# Altium PCB roach2.PcbDoc (part 24 of 39)
Units mil, origin at the board's own origin, x right, y up, seen from the top; angles counter-clockwise.
Board outline 12007.87 x 9606.3 mil, 16 copper layers (L1_TOP, L2_G, L3_S, L4_G, L5_S, L6_P, L7_G, L8_R, L9_R, L10_P, L11_P, L12_S, L13_P, L14_S, L15_G, L16_BOT), stack 81.651 mil thick; 1568 components, 1918 nets, 9251 pads, 6741 vias.
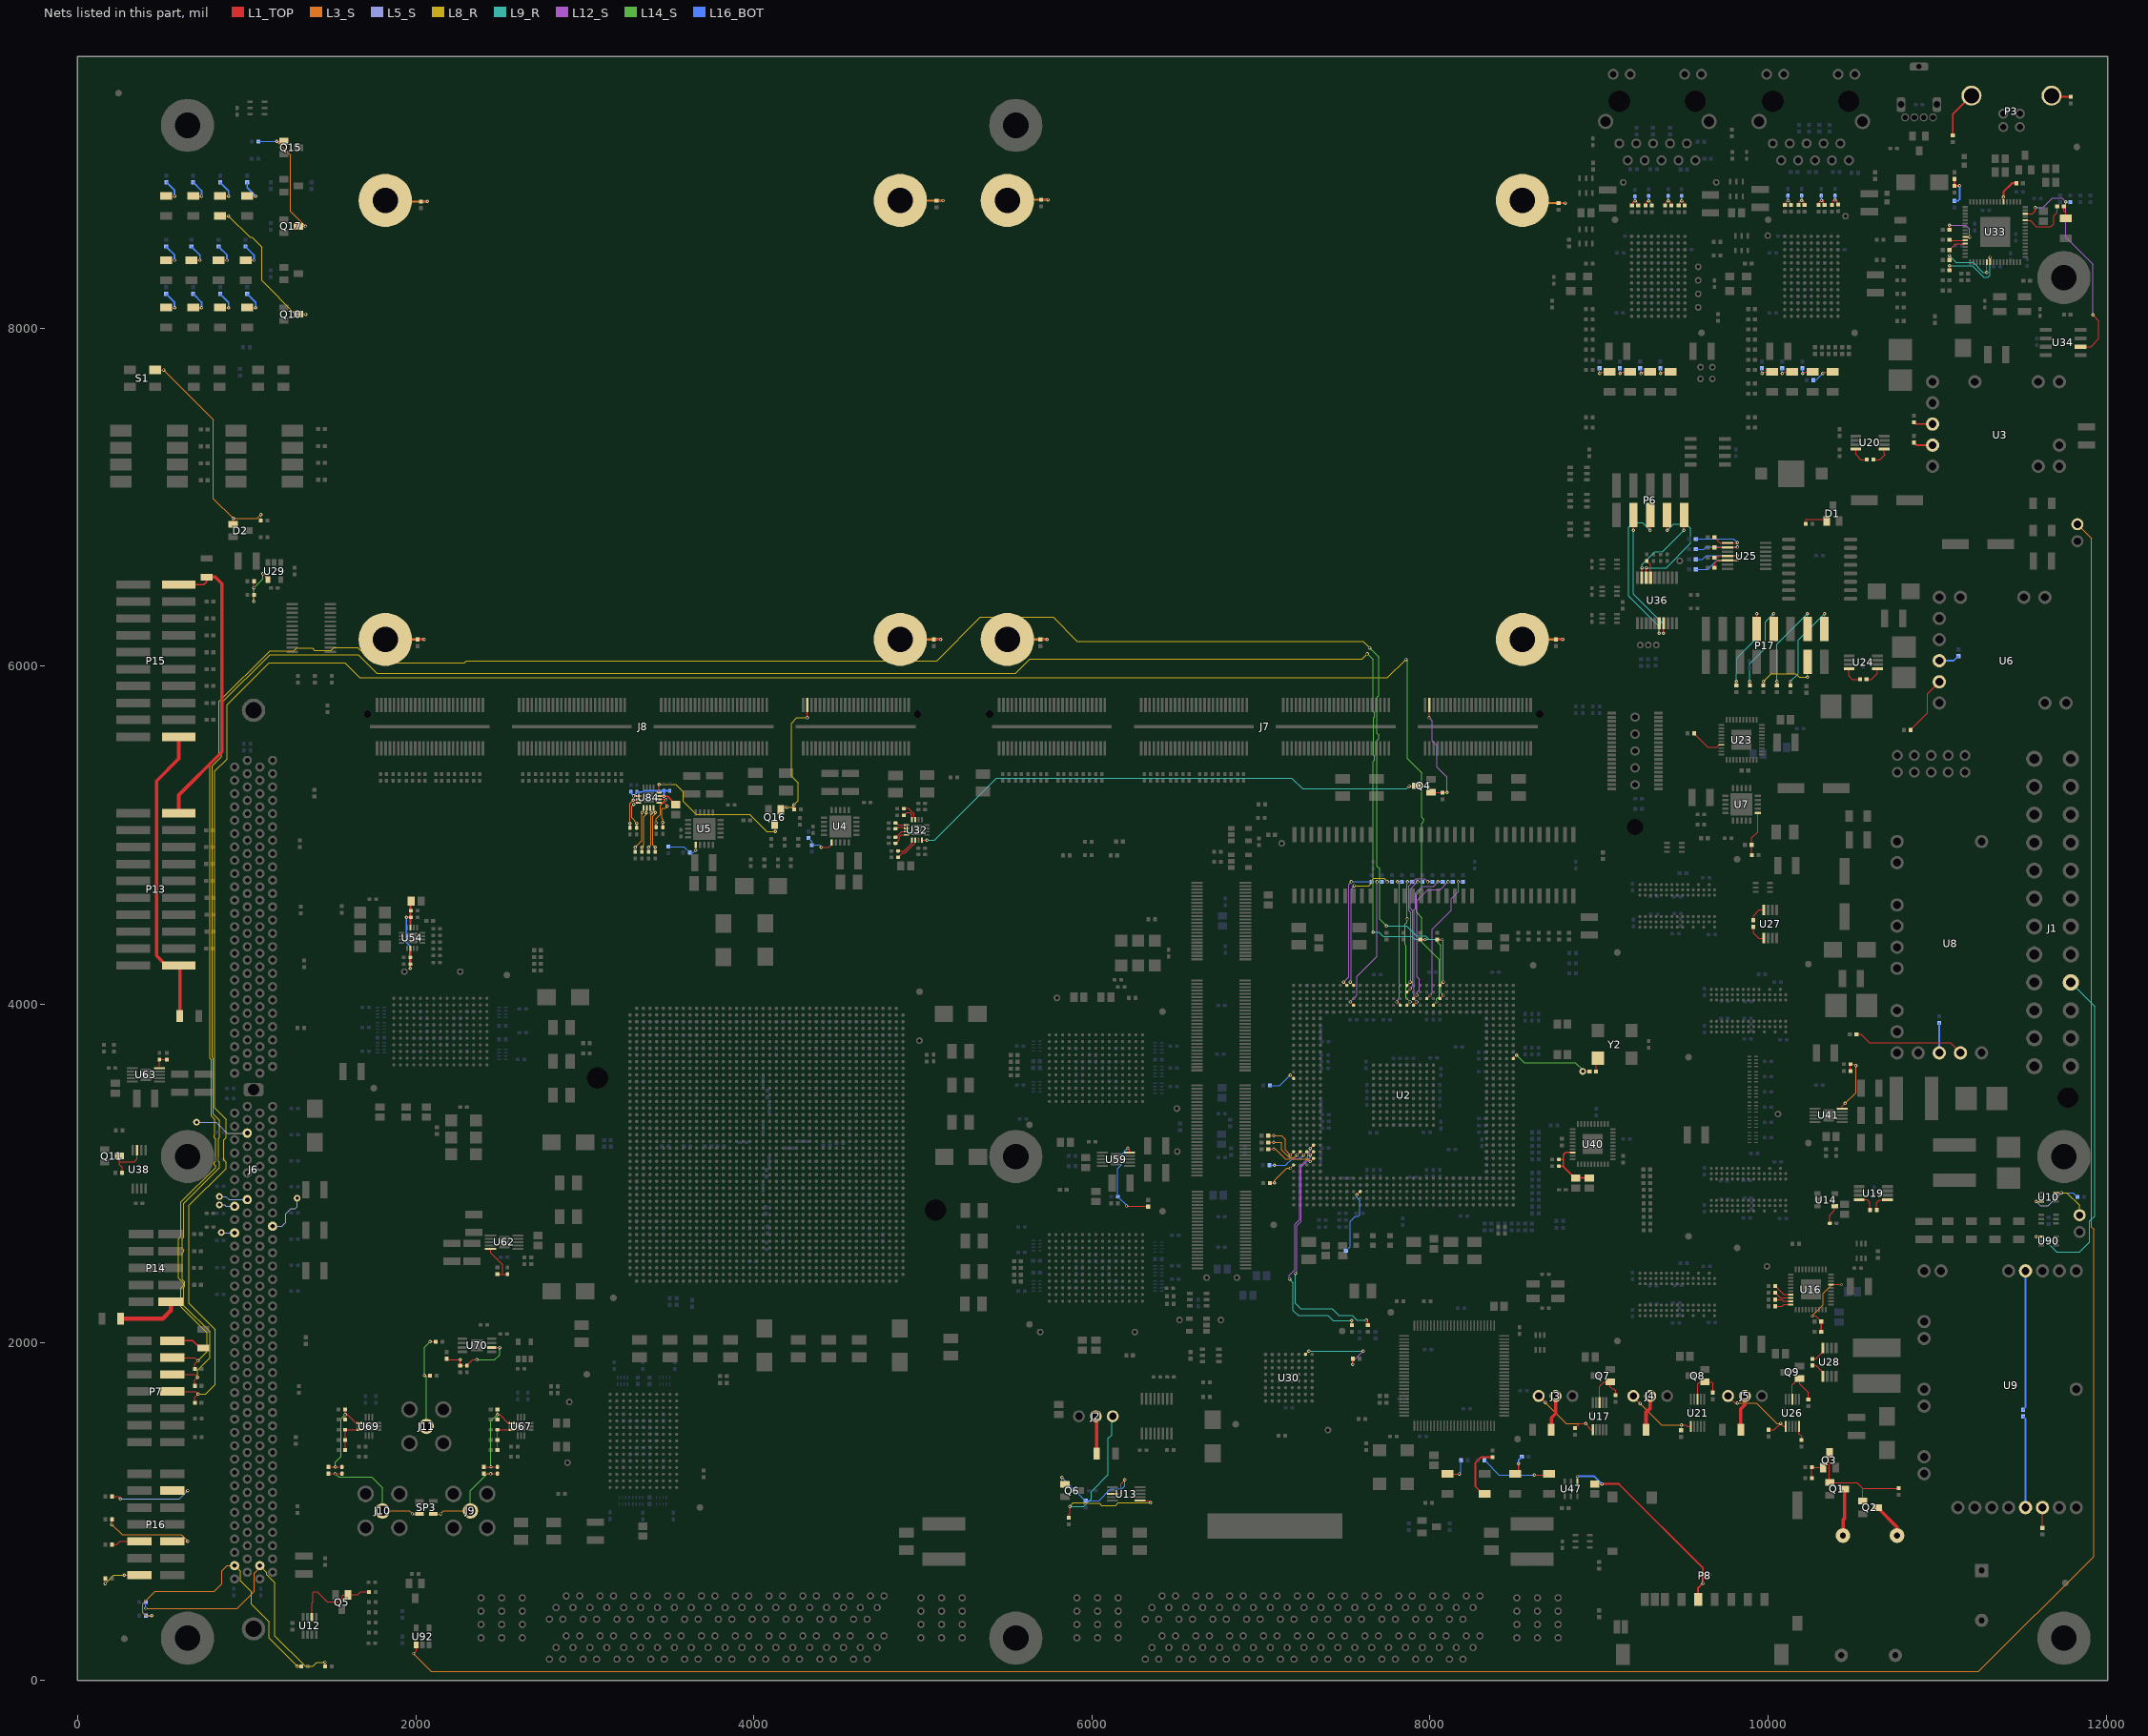
[diagram p38: the nets of this part, all layers, seen from the top]

## Via types
v1: diameter 19.4, hole 10, L1_TOP to L16_BOT, tented both sides, 3354 vias
v2: diameter 19.4, hole 10, L1_TOP to L16_BOT, 1954 vias
v3: diameter 19.4, hole 10, L1_TOP to L16_BOT, tented top, 429 vias
v4: diameter 18.6, hole 10, L1_TOP to L16_BOT, tented both sides, 311 vias
v5: diameter 59.06, hole 39.37, L1_TOP to L16_BOT, 217 vias
v6: diameter 19.4, hole 10.04, L1_TOP to L16_BOT, 125 vias
v7: diameter 19, hole 10, L1_TOP to L16_BOT, 93 vias
v8: diameter 19.4, hole 10, L1_TOP to L16_BOT, tented bottom, 80 vias
v9: diameter 25.98, hole 12.99, L1_TOP to L16_BOT, tented top, 55 vias
v10: diameter 20, hole 10, L1_TOP to L16_BOT, 53 vias
v11: diameter 59.06, hole 39.37, L1_TOP to L16_BOT, tented top, 44 vias
v12: diameter 20, hole 10, L1_TOP to L16_BOT, tented top, 16 vias
v13: diameter 19, hole 10, L1_TOP to L16_BOT, tented top, 5 vias
v14: diameter 25.98, hole 12.99, L1_TOP to L16_BOT, 4 vias
v15: diameter 50, hole 28, L1_TOP to L16_BOT, 1 vias

## Nets (pads, with @x,y where several pads share a name; then routed paths per layer and width w, separated by ;. In a path a pad name is that pad's centre, name@x,y a point inside that pad or via, vN(x,y) a via of type N, cw(c..) or ccw(c..) an arc to the next point about the centre after c; other vN are vias at no path point) (continued)
NetC195_2: C195.2 U36.7 | length 108.4
  L1_TOP w5: C195.2@9282.99,6623.31 9304.61,6601.69 U36.7@9304.61,6523.83
NetC205_2: C205.2 C206.2 C207.2 L20.2 U40.8 | length 366
  L1_TOP w8: C207.2@8762.68,3042.99 8786.99,3042.99 8788.99,3040.99 ; C206.2@8762.68,3082.99 8788.99,3082.99 ; U40.8@8843.9,3123.78 8803.78,3123.78 8801.79,3123.79 8788.99,3110.99 8788.99,3082.99 ; L20.2@8862.99,2972.52 8857.46,2972.52 8788.99,3040.99 ; 8788.99,3040.99 8788.99,3082.99
  L1_TOP w12: L20.2@8862.99,2972.52 C205.2@8942.99,2972.52
NetC218_2: C218.2 R190.2 U41.5 | length 362.9
  L1_TOP w5: U41.5@10438.7,3382.36 10438.7,3397.57 v2(10454.99,3413.86) ; R190.2@10487.68,3605.99 C218.2@10487.68,3645.99 10509.99,3645.99 v2(10518.99,3636.99)
  L3_S w3.8: v2(10454.99,3413.86) 10518.99,3477.86 v2(10518.99,3636.99)
NetC264_2: C264.2 U14.4 | length 112.5
  L1_TOP w5: C264.2@10365.31,2705 10365.31,2753.31 10394.17,2782.17 U14.4@10394.17,2805.59
NetC271_2: C271.2 C272.2 P8.4 U47.4 | length 1289.7
  L1_TOP w5: U47.4@8871.85,1176.3 v2(8871.85,1207.73) ; C272.2@8974.45,1162.52 v2(9016.71,1162.52)
  L1_TOP w10: v2(9016.71,1162.52) 9117.48,1162.52 9615.31,664.69 9615.31,575 9613,575 9585.79,547.79 P8.4@9585.79,480
  L16_BOT w10: C271.2@9615.31,625 9615.31,576.69 v2(9616,576)
  L16_BOT w12: v2(8871.85,1207.73) 8971.49,1207.73 v2(9016.71,1162.52)
NetC298_1: C298.1 R207.1 R208.1 | length 81.7
  L1_TOP w5: R207.1@10104.99,8737.99 10104.99,8747.99 10112.99,8755.99 v3(10118.3,8755.99) 10123.6,8755.99 10131.6,8747.99 R208.1@10131.6,8737.99
  L16_BOT w5: C298.1@10117.99,8784.31 10118.3,8784 v3(10118.3,8755.99)
NetC299_1: C299.1 R209.1 R210.1 | length 81.7
  L1_TOP w5: R209.1@10184.99,8737.99 10184.99,8747.99 10192.99,8755.99 v3(10198.3,8755.99) 10203.6,8755.99 10211.6,8747.99 R210.1@10211.6,8737.99
  L16_BOT w5: C299.1@10197.99,8784.31 10198.3,8784 v3(10198.3,8755.99)
NetC300_1: C300.1 R211.1 R212.1 | length 82.1
  L1_TOP w5: R211.1@10302.99,8737.99 10302.99,8747.99 10310.99,8755.99 v3(10316.3,8755.99) 10321.6,8755.99 10329.6,8747.99 R212.1@10329.6,8737.99
  L16_BOT w5: C300.1@10314.99,8784.31 10316.3,8783 v3(10316.3,8755.99)
NetC301_1: C301.1 R213.1 R214.1 | length 79.7
  L1_TOP w5: R213.1@10382.99,8739.99 10382.99,8749.99 10390.99,8757.99 v3(10396.3,8757.99) 10401.6,8757.99 10409.6,8749.99 R214.1@10409.6,8739.99
  L16_BOT w5: C301.1@10395.99,8784.31 10396.3,8784 v3(10396.3,8757.99)
NetC500_2: C500.2 C501.2 C502.2 C503.2 L23.2 U54.7 U54.14 | length 589.9
  L1_TOP w10: v2(1944.99,4514.31) C502.2@1968.15,4514.31 ; v3(1966.99,4212.99) C500.2@1966.99,4237.31 ; C500.2@1967.68,4237.8 1968.15,4238.28 1968.15,4277.8 U54.14@1968.15,4331.97 ; U54.7@1968.15,4454.02 C502.2@1968.15,4514.31 ; 1968.15,4582.68 1968.15,4554.31 C502.2@1968.15,4514.31 ; L23.2@1968.15,4605.99 L23.2@1973.46,4611.31
  L16_BOT w10: v2(1944.99,4514.31) 1944.99,4424.99 1943.24,4423.24 1943.24,4367.75 1966.99,4344 v3(1966.99,4212.99)
NetC568_2: C568.2 R322.2 U59.5 | length 550.6
  L1_TOP w5: v2(6204.7,2807.07) 6329.23,2807.07 R322.2@6332.99,2803.31 ; v2(6212.6,3149.61) 6223.7,3138.5 U59.5@6223.7,3122.36
  L16_BOT w5: v2(6204.7,2807.07) 6204.7,2810.97 C568.2@6152.68,2862.99 6152.68,3029.73 6173.68,3050.73 6173.68,3110.69 v2(6212.6,3149.61)
NetC628_2: C628.2 R373.2 U62.5 | length 239.6
  L1_TOP w5: U62.5@2442.28,2553.62 2442.28,2528.7 2512.99,2457.99 2512.99,2403.31 ; R373.2@2482.99,2403.31 2512.99,2403.31 ; C628.2@2542.99,2403.31 2512.99,2403.31
NetC665_2: C665.2 R381.2 U63.5 | length 96.2
  L1_TOP w5: U63.5@483.7,3622.36 482.99,3623.07 C665.2@482.99,3673.31 R381.2@527.99,3673.31
NetC705_1: C705.1 R383.1 R384.1 | length 80.7
  L1_TOP w5: R383.1@9199.99,8734.99 9199.99,8744.99 9207.99,8752.99 v3(9213.3,8752.99) 9218.6,8752.99 9226.6,8744.99 R384.1@9226.6,8734.99
  L16_BOT w5: C705.1@9212.99,8780.31 9212.99,8753.3 v3(9213.3,8752.99)
NetC706_1: C706.1 R385.1 R386.1 | length 82.7
  L1_TOP w5: R385.1@9279.99,8734.99 9279.99,8744.99 9287.99,8752.99 v3(9293.3,8752.99) 9298.6,8752.99 9306.6,8744.99 R386.1@9306.6,8734.99
  L16_BOT w5: C706.1@9292.99,8782.31 9292.99,8753.3 v3(9293.3,8752.99)
NetC707_1: C707.1 R387.1 R388.1 | length 82.7
  L1_TOP w5: R387.1@9395.99,8734.99 9395.99,8744.99 9403.99,8752.99 v3(9409.3,8752.99) 9414.6,8752.99 9422.6,8744.99 R388.1@9422.6,8734.99
  L16_BOT w5: C707.1@9408.99,8782.31 9408.99,8753.3 v3(9409.3,8752.99)
NetC708_1: C708.1 R389.1 R390.1 | length 82.7
  L1_TOP w5: R389.1@9475.99,8734.99 9475.99,8744.99 9483.99,8752.99 v3(9489.3,8752.99) 9494.6,8752.99 9502.6,8744.99 R390.1@9502.6,8734.99
  L16_BOT w5: C708.1@9488.99,8782.31 9489.3,8782 v3(9489.3,8752.99)
NetC720_1: C720.1 R420.2 R426.2 R427.1 U67.4 | length 570.9
  L1_TOP w5: R426.2@2402.99,1262.68 v2@2444.68,1262.68 ; v2(2444.99,1262.99) v2@2444.68,1262.68 ; R427.1@2482.68,1542.99 2482.68,1567.45 v2@2482.88,1567.65 ; R420.2@2482.68,1602.99 v2@2482.68,1572.86 ; v2(2482.88,1572.65) v2@2482.68,1572.86 ; C720.1@2482.99,1262.68 v2@2444.68,1262.68 ; U67.4@2571.81,1522.68 2546.32,1522.68 2496.14,1572.86 v2@2482.68,1572.86
  L14_S w3.8: v2(2444.99,1262.99) 2444.99,1534.76 v2(2482.88,1572.65)
NetC720_2: C720.2 J9.1 R426.1 SP3.3 | length 588.1
  L1_TOP w5: SP3.3@2104.33,985.2 2145.79,985.2 v2(2145.99,984.99) ; R426.1@2402.99,1223.31 v2@2442.68,1223.31 ; v2(2442.99,1222.99) v2@2442.68,1223.31 ; C720.2@2482.99,1223.31 2442.99,1223.31 v2@2442.68,1223.31
  L3_S w3.8: v2(2145.99,984.99) 2163.99,1002.99 J9.1@2322.99,1002.99
  L14_S w3.8: J9.1@2322.99,1002.99 2322.99,1122.99 2422.99,1222.99 v2(2442.99,1222.99)
NetC721_2: C721.2 R421.1 R428.2 U67.6 | length 209.3
  L1_TOP w5: R428.2@2482.68,1362.99 R421.1@2482.68,1422.99 C721.2@2482.68,1482.99 2482.99,1483.31 U67.6@2571.81,1483.31
NetC724_1: C724.1 R439.2 R441.2 R442.1 U69.4 | length 579.2
  L1_TOP w5: R441.2@1482.99,1262.68 v2@1524.68,1262.68 ; v2(1524.99,1262.99) v2@1524.68,1262.68 ; C724.1@1562.99,1262.68 v2@1524.68,1262.68 ; R442.1@1582.68,1542.99 1582.68,1567.45 v2@1582.88,1567.65 ; R439.2@1582.68,1602.99 v2@1582.68,1572.86 ; v2(1582.88,1572.65) v2@1582.68,1572.86 ; U69.4@1671.81,1522.68 1646.32,1522.68 1596.14,1572.86 v2@1582.68,1572.86
  L14_S w3.8: v2(1524.99,1262.99) 1524.99,1292.39 1556.99,1324.39 1556.99,1546.76 v2(1582.88,1572.65)
NetC724_2: C724.2 J10.1 R441.1 SP3.2 | length 757.3
  L1_TOP w5: R441.1@1482.99,1223.31 v2@1522.68,1223.31 ; v2(1522.99,1222.99) v2@1522.68,1223.31 ; C724.2@1562.99,1223.31 1522.99,1223.31 v2@1522.68,1223.31 ; v2(1979.99,985.4) 1980.2,985.2 SP3.2@2021.65,985.2
  L3_S w3.8: J10.1@1802.99,1002.99 1962.4,1002.99 v2(1979.99,985.4)
  L14_S w3.8: v2(1522.99,1222.99) 1542.99,1202.99 1738.99,1202.99 1802.99,1138.99 J10.1@1802.99,1002.99
NetC725_2: C725.2 R440.1 R443.2 U69.6 | length 209.3
  L1_TOP w5: R443.2@1582.68,1362.99 R440.1@1582.68,1422.99 C725.2@1582.68,1482.99 1582.99,1483.31 U69.6@1671.81,1483.31
NetC726_2: C726.2 R450.1 R452.2 U70.2 | length 450.5
  L1_TOP w5: R450.1@2182.99,1903.31 2190.02,1896.28 v2@2261.99,1896.28 ; R452.2@2261.99,1864.65 v2@2261.99,1896.28 ; R452.2@2262.99,1862.68 C726.2@2302.99,1862.68 2337.31,1896.99 v2(2360.99,1896.99) ; v2(2262.99,1897.28) v2@2261.99,1896.28 ; U70.2@2463.99,1969.99 v2@2495.62,1969.99 ; v2@2502.82,1969.99 v2@2503.82,1968.99
  L14_S w3.8: v2(2360.99,1896.99) 2466.99,1896.99 2496.62,1926.62 v2(2496.62,1968.99)
NetC754_1: C754.1 U32.15 | length 110.6
  L1_TOP w5: C754.1@4887.68,5157.99 4891.68,5159.99 4914.38,5159.99 4947.46,5126.9 4947.46,5105.99 4954.15,5099.31 U32.15@4954.15,5093.02
NetC755_1: C755.1 U32.16 | length 86.7
  L1_TOP w5: C755.1@4887.68,5117.99 4891.68,5119.99 4905.68,5133.99 4921.99,5133.99 4934.46,5121.52 U32.16@4934.46,5093.02
NetC756_1: C756.1 U32.1 | length 74.3
  L1_TOP w5: C756.1@4837.68,5072.99 4837.68,5075.99 4839.18,5074.49 4852.15,5061.52 U32.1@4902.97,5061.52
NetC757_1: C757.1 U32.2 | length 75.2
  L1_TOP w5: C757.1@4837.68,5037.99 4837.68,5035.99 4839.46,5035.99 4839.57,5036.1 4851.99,5048.52 4889.46,5048.52 4896.15,5041.83 U32.2@4902.97,5041.83
NetC758_1: C758.1 U32.3 | length 81.8
  L1_TOP w5: C758.1@4837.68,4987.99 4837.68,4991.99 4843.68,4991.99 4873.83,5022.15 U32.3@4902.97,5022.15
NetC759_1: C759.1 U32.4 | length 95.3
  L1_TOP w5: C759.1@4837.68,4951.99 4838.18,4952.49 4860.03,4974.34 4860.03,4989.96 4871.99,5001.92 4902.43,5001.92 U32.4@4902.97,5002.46
NetC760_1: C760.1 U32.5 | length 118.7
  L1_TOP w5: C760.1@4852.68,4907.99 4889.99,4907.99 4934.46,4952.46 U32.5@4934.46,4970.97
NetC761_1: C761.1 U32.6 | length 154
  L1_TOP w5: C761.1@4852.68,4867.99 4853.68,4868.99 4879.68,4894.99 4894.99,4894.99 4954.15,4954.15 U32.6@4954.15,4970.97
NetC762_2: C762.2 C763.2 C764.2 C765.2 L26.1 U84.7 U84.14 | length 443.2
  L1_TOP w10: v1(3288.99,5232.99) 3289.15,5232.83 U84.14@3316.97,5232.83 ; U84.7@3439.02,5232.83 3465.15,5232.83 v3(3466.99,5230.99) 3488.99,5230.99 3533.46,5186.52 L26.1@3538.99,5186.52
  L16_BOT w10: C765.2@3272.99,5258.31 3272.99,5248.99 v1(3288.99,5232.99) 3307.99,5251.99 C764.2@3307.99,5258.31 3310.01,5256.29 3340.29,5256.29 3347.31,5263.31 C762.2@3467.99,5263.31 ; v3@3467.99,5231.83 C762.2@3467.99,5263.31 ; C763.2@3502.99,5262.68 3502.99,5263.31 C763.2@3501.99,5263.31 C762.2@3467.99,5263.31
NetC766_1: C766.1 U84.15 | length 210
  L1_TOP w5: C766.1@3266.99,5038.65 C766.1@3266.99,5044.68 v2(3266.99,5069.99) ; v3(3286.61,5207.99) 3303.99,5207.99 3309.15,5213.15 U84.15@3316.97,5213.15
  L3_S w3.8: v2(3266.99,5069.99) 3266.99,5188.38 v3(3286.61,5207.99)
NetC767_1: C767.1 U84.16 | length 192.7
  L1_TOP w5: v3(3289.99,5183.99) 3299.46,5193.46 U84.16@3316.97,5193.46 ; C767.1@3306.99,5039.99 C767.1@3306.99,5044.68 v2(3306.99,5071.34)
  L3_S w3.8: v3(3289.99,5183.99) 3276.99,5170.99 3276.99,5102.99 3306.99,5072.99 v2(3306.99,5071.34)
NetC768_1: C768.1 U84.1 | length 286.2
  L1_TOP w5: C768.1@3297.99,4896.65 C768.1@3297.99,4902.68 v2(3297.99,4927.99) ; v3(3338.99,5134.99) 3348.46,5144.46 U84.1@3348.46,5161.97
  L3_S w3.8: v2(3297.99,4927.99) 3338.99,4968.99 v3(3338.99,5134.99)
NetC769_1: C769.1 U84.2 | length 276.5
  L1_TOP w5: C769.1@3337.99,4897.99 C769.1@3337.99,4902.68 v2(3337.99,4929.34) ; v3(3362.99,5131.61) 3362.99,5148.99 3368.15,5154.15 U84.2@3368.15,5161.97
  L3_S w3.8: v2(3337.99,4929.34) 3348.99,4940.34 3348.99,5108.99 3362.99,5122.99 v3(3362.99,5131.61)
NetC770_1: C770.1 U84.3 | length 274.1
  L1_TOP w5: C770.1@3376.99,4896.65 C770.1@3376.99,4902.68 v2(3376.99,4927.99) ; U84.3@3387.83,5161.97 3387.83,5154.15 3392.99,5148.99 v1(3392.99,5131.61)
  L3_S w3.8: v2(3376.99,4927.99) 3390.99,4941.99 3390.99,5129.61 v1(3392.99,5131.61)
NetC771_1: C771.1 U84.4 | length 279.5
  L1_TOP w5: U84.4@3407.52,5161.97 3407.52,5144.46 v1(3416.99,5134.99) ; C771.1@3416.99,4897.99 C771.1@3416.99,4902.68 v2(3416.99,4929.34)
  L3_S w3.8: v2(3416.99,4929.34) 3402.99,4943.34 3402.99,5112.99 3416.99,5126.99 v1(3416.99,5134.99)
NetC772_1: C772.1 U84.5 | length 212.1
  L1_TOP w5: U84.5@3438.03,5192.99 3439.02,5192.99 3455.85,5192.99 3469.01,5192.99 3488,5174 v2(3488,5172) ; C772.1@3460.99,5044.99 C772.1@3460.99,5047.68 v2(3460.99,5076.34)
  L3_S w3.8: v2(3460.99,5076.34) 3460.99,5094.99 3454.79,5101.19 3454.79,5154.12 3460.67,5160 3476,5160 v2(3488,5172)
NetC773_1: C773.1 U84.6 | length 233.7
  L1_TOP w5: C773.1@3420.99,5042.99 C773.1@3420.99,5047.68 v2(3420.99,5074.34) ; U84.6@3439.02,5213.15 3476.85,5213.15 v2(3480,5210)
  L3_S w3.8: v2(3420.99,5074.34) 3420.99,5098.99 3446.99,5124.99 3446.99,5176.99 v2(3480,5210)
NetD1_1: D1.1 R31.1 | length 151.2
  L1_TOP w5: R31.1@10223.31,6842.99 10223.31,6867.31 10224.99,6868.99 10336.28,6868.99 D1.1@10345.59,6859.68
NetD2_1: D2.1 R82.2 S1.2 | length 1340.5
  L1_TOP w5: S1.2@457.99,7752.99 v2(507.93,7752.99) ; D2.1@919.68,6840.39 v3(919.68,6874.78) ; R82.2@1083.31,6862.99 v2(1083.31,6897.38)
  L3_S w3.8: v2(507.93,7752.99) 802.99,7457.93 802.99,6991.47 v3(919.68,6874.78) 1060.71,6874.78 v2(1083.31,6897.38)
NetDS1_1: DS1.1 Q10.3 | length 904.5
  L1_TOP w5: DS1.1@842.99,8663.94 v2(893.13,8663.94) ; Q10.3@1306.3,8082.99 v2(1348.56,8082.99)
  L8_R w3.8: v2(893.13,8663.94) 1018.47,8538.59 1029.45,8538.59 1088.99,8479.05 1088.99,8280.99 1286.99,8082.99 v2(1348.56,8082.99)
NetDS1_2: DS1.2 R83.2 | length 152.2
  L1_TOP w5: DS1.2@842.99,8782.05 v2(893.13,8782.05)
  L16_BOT w10: R83.2@842.99,8863.31 893.13,8813.17 v2(893.13,8782.05)
NetDS2_2: DS2.2 R94.2 | length 150.9
  L1_TOP w5: DS2.2@522.99,8782.05 v2(573.13,8782.05)
  L16_BOT w10: R94.2@525.32,8862.99 573.13,8815.18 v2(573.13,8782.05)
NetDS3_1: DS3.1 R237.2 | length 94.5
  L1_TOP w5: v2(9963.94,7732.28) 9973.7,7742.05 DS3.1@10022.99,7742.05
  L16_BOT w5: R237.2@9962.99,7763.31 9962.99,7733.23 v2(9963.94,7732.28)
NetDS4_1: DS4.1 R244.2 | length 94.5
  L1_TOP w5: v2(10083.94,7732.28) 10093.7,7742.05 DS4.1@10142.99,7742.05
  L16_BOT w5: R244.2@10082.99,7763.31 10083.94,7762.36 v2(10083.94,7732.28)
NetDS5_1: DS5.1 R247.2 | length 94.5
  L1_TOP w5: v2(10203.94,7732.28) 10213.7,7742.05 DS5.1@10262.99,7742.05
  L16_BOT w5: R247.2@10202.99,7763.31 10203.94,7762.36 v2(10203.94,7732.28)
NetDS6_1: DS6.1 R248.2 | length 135.6
  L1_TOP w5: v2(10323.94,7732.28) 10333.7,7742.05 DS6.1@10382.99,7742.05
  L16_BOT w5: R248.2@10267.68,7692.99 10284.64,7692.99 v2(10323.94,7732.28)
NetDS9_1: DS9.1 R407.2 | length 94.5
  L1_TOP w5: v2(9003.94,7732.28) 9013.7,7742.05 DS9.1@9062.99,7742.05
  L16_BOT w5: R407.2@9002.99,7763.31 9003.94,7762.36 v2(9003.94,7732.28)
NetDS10_1: DS10.1 R412.2 | length 94.5
  L1_TOP w5: v2(9123.94,7732.28) 9133.7,7742.05 DS10.1@9182.99,7742.05
  L16_BOT w5: R412.2@9122.99,7763.31 9123.94,7762.36 v2(9123.94,7732.28)
NetDS11_1: DS11.1 R415.2 | length 97.1
  L1_TOP w5: v2(9247.94,7731.34) 9257.7,7741.1 9302.99,7741.1 DS11.1@9306.99,7741.1
  L16_BOT w5: R415.2@9242.99,7763.31 9247.94,7758.36 v2(9247.94,7731.34)
NetDS12_1: DS12.1 R416.2 | length 94.5
  L1_TOP w5: v2(9363.94,7732.28) 9373.7,7742.05 DS12.1@9422.99,7742.05
  L16_BOT w5: R416.2@9362.99,7763.31 9363.94,7762.36 v2(9363.94,7732.28)
NetDS15_2: DS15.2 R423.1 | length 152.2
  L1_TOP w5: DS15.2@522.99,8122.05 v2(573.13,8122.05)
  L16_BOT w10: R423.1@522.99,8203.31 573.13,8153.17 v2(573.13,8122.05)
NetDS16_2: DS16.2 R422.1 | length 152.2
  L1_TOP w5: DS16.2@682.99,8122.05 v2(733.13,8122.05)
  L16_BOT w10: R422.1@682.99,8203.31 733.13,8153.17 v2(733.13,8122.05)
NetDS17_2: DS17.2 R424.1 | length 152.2
  L1_TOP w5: DS17.2@842.99,8122.05 v2(893.13,8122.05)
  L16_BOT w10: R424.1@842.99,8203.31 893.13,8153.17 v2(893.13,8122.05)
NetDS18_2: DS18.2 R425.1 | length 152.2
  L1_TOP w5: DS18.2@1002.99,8122.05 v2(1053.13,8122.05)
  L16_BOT w10: R425.1@1002.99,8203.31 1053.13,8153.17 v2(1053.13,8122.05)
NetDS19_2: DS19.2 R432.2 | length 152.2
  L1_TOP w5: DS19.2@672.99,8402.05 v2(723.13,8402.05)
  L16_BOT w10: R432.2@672.99,8483.31 723.13,8433.17 v2(723.13,8402.05)
NetDS20_2: DS20.2 R433.2 | length 152.2
  L1_TOP w5: DS20.2@832.99,8402.05 v2(883.13,8402.05)
  L16_BOT w10: R433.2@832.99,8483.31 883.13,8433.17 v2(883.13,8402.05)
NetDS21_2: DS21.2 R434.2 | length 152.2
  L1_TOP w5: DS21.2@992.99,8402.05 v2(1043.13,8402.05)
  L16_BOT w10: R434.2@992.99,8483.31 1043.13,8433.17 v2(1043.13,8402.05)
NetDS22_2: DS22.2 R431.2 | length 152.2
  L1_TOP w5: DS22.2@522.99,8402.05 v2(573.13,8402.05)
  L16_BOT w10: R431.2@522.99,8483.31 573.13,8433.17 v2(573.13,8402.05)
NetDS23_2: DS23.2 R437.2 | length 135.3
  L1_TOP w5: DS23.2@8122.99,1222.05 v2(8173.13,1222.05)
  L16_BOT w5: v2(8173.13,1222.05) 8183.31,1232.23 R437.2@8183.31,1302.99
NetDS24_2: DS24.2 R444.2 | length 98.3
  L1_TOP w10: DS24.2@8522.99,1232.99 v10(8522.99,1282.99)
  L16_BOT w10: v10(8522.99,1282.99) 8522.99,1302.99 R444.2@8542.99,1322.99
NetDS25_2: DS25.2 R449.2 | length 419.2
  L1_TOP w5: v7(8617.37,1215.59) 8696.54,1215.59 DS25.2@8702.99,1222.05
  L16_BOT w5: R449.2@8322.68,1302.99 8409.13,1216.54 8616.42,1216.54 v7(8617.37,1215.59)
NetDS26_2: DS26.2 R457.2 | length 152.2
  L1_TOP w5: DS26.2@1002.99,8782.05 v2(1053.13,8782.05)
  L16_BOT w10: R457.2@1002.99,8863.31 1002.99,8832.18 v2(1053.13,8782.05)
NetDS27_2: DS27.2 R224.2 | length 152.2
  L1_TOP w5: DS27.2@682.99,8782.05 v2(733.13,8782.05)
  L16_BOT w10: R224.2@682.99,8863.31 733.13,8813.17 v2(733.13,8782.05)
NetDS28_1: DS28.1 R61.2 | length 75.4
  L1_TOP w5: R61.2@11749.69,8720 11749.69,8695.31 11760.41,8684.59 DS28.1@11760.41,8649.06
NetDS29_1: DS29.1 R51.2 | length 347.3
  L1_TOP w5: DS29.1@8322.99,1103.94 DS29.1@8336.22,1103.94 ; R51.2@8370,1320.31 R51.2@8374.02,1316.3
  L1_TOP w10: DS29.1@8322.99,1103.94 8311.85,1103.94 8268.19,1147.59 8268.19,1287.88 8300.63,1320.31 R51.2@8370,1320.31
NetF1_2: F1.2 J2.2 | length 222
  L1_TOP w20: J2.2@6022.99,1562.99 6027.87,1558.11 F1.2@6027.87,1342.99
NetF2_2: F2.2 J3.2 | length 210.3
  L1_TOP w20: F2.2@8718.11,1482.99 8718.11,1554.11 8742.99,1578.99 J3.2@8742.99,1682.99
NetF3_2: F3.2 J4.2 | length 210.3
  L1_TOP w20: F3.2@9278.11,1482.99 9278.11,1586.11 9302.99,1610.99 J4.2@9302.99,1682.99
NetF4_2: F4.2 J5.2 | length 210.3
  L1_TOP w20: F4.2@9838.11,1482.99 9838.11,1606.11 9862.99,1630.99 J5.2@9862.99,1682.99
NetF5_2: F5.2 P13.19 P15.19 | length 1771.2
  L1_TOP w10: P15.19@598.03,6482.99 746.99,6482.99 762.99,6498.99 F5.2@762.99,6527.87
  L1_TOP w20: P13.19@598.03,5130 598.03,5238.03 853,5493 853,6489 814.13,6527.87 F5.2@762.99,6527.87
NetF7_1: F7.1 P7.2 | length 200.1
  L1_TOP w10: P7.2@560.43,2010 680,2010 720,1970 740.55,1970 F7.1@742.99,1967.56
NetF8_2: F8.2 P13.1 P15.1 | length 1808.4
  L1_TOP w20: P15.1@598.03,5582.99 598.03,5453.03 466.19,5321.19 466.19,4287.81 524,4230 P13.1@598.03,4230 604.88,4223.15 F8.2@604.88,3930
NetF9_1: F9.1 P14.1 | length 367.5
  L1_TOP w25: F9.1@255.12,2140 503,2140 550.39,2187.39 P14.1@550.39,2240
NetH12_1: H12.1 R290.2 | length 272.4
  L1_TOP w5: v2(2050,6158.43) v2@2052,6158.43
  L1_TOP w12: R290.2@2010,6158.43 v2(2050,6158.43)
  L3_S w12: H12.1@1819.76,6158.74 1820.08,6158.43 v2(2050,6158.43)
NetH13_1: H13.1 R291.2 | length 280.9
  L1_TOP w5: v2(5105,6158.43) v2@5107,6158.43
  L1_TOP w12: R291.2@5065,6158.43 v2(5105,6158.43)
  L3_S w12: H13.1@4866.22,6158.74 4866.54,6158.43 v2(5105,6158.43)
NetH14_1: H14.1 R292.2 | length 296.3
  L1_TOP w5: v2(5120,8754.69) v2@5122,8754.69
  L1_TOP w12: R292.2@5080,8754.69 v2(5120,8754.69)
  L3_S w12: H14.1@4866.22,8755.98 4867.52,8754.69 v2(5120,8754.69)
NetH15_1: H15.1 R293.2 | length 292.8
  L1_TOP w12: R293.2@2030,8749.69 v2@2070,8749.69
  L3_S w12: H15.1@1819.76,8755.98 1826.06,8749.69 v2@2070,8749.69
  other v2: 2068,8749.69
NetH16_1: H16.1 R294.2 | length 277.4
  L1_TOP w5: v2(5735,6158.43) v2@5737,6158.43
  L1_TOP w12: R294.2@5695,6158.43 v2(5735,6158.43)
  L3_S w12: H16.1@5499.76,6158.74 5500.08,6158.43 v2(5735,6158.43)
NetH17_1: H17.1 R295.2 | length 280.9
  L1_TOP w5: v2(8785,6158.43) v2@8787,6158.43
  L1_TOP w12: R295.2@8745,6158.43 v2(8785,6158.43)
  L3_S w12: H17.1@8546.22,6158.74 8546.54,6158.43 v2(8785,6158.43)
NetH18_1: H18.1 R296.2 | length 283.8
  L1_TOP w5: v2(5740,8759.69) v2@5742,8759.69
  L1_TOP w12: R296.2@5700,8759.69 v2(5740,8759.69)
  L3_S w12: H18.1@5499.76,8755.98 5503.46,8759.69 v2(5740,8759.69)
NetH19_1: H19.1 R297.2 | length 302.5
  L1_TOP w5: v2(8800,8739.69) v2@8802,8739.69
  L1_TOP w12: R297.2@8760,8739.69 v2(8800,8739.69)
  L3_S w12: H19.1@8546.22,8755.98 8562.52,8739.69 v2(8800,8739.69)
NetJ1_16: J1.16 U90.4 | length 2017.3
  L1_TOP w5: v2(11585.26,2625.59) U90.4@11616.69,2625.59
  L9_R w3.8: v2(11585.26,2625.59) 11616.41,2625.59 11707,2535 11843,2535 11903,2595 11903,2717 11932.99,2746.99 11932.99,3987.87 J1.16@11791.26,4129.61